# KiCad board SparkFun_BMV080_panelized.kicad_pcb (continued)
## Routing (per net, layer and track width the routed paths; a pad name or vN(x,y) marks a point on that pad's centre or on a via; arc(x,y) is an arc through that point) (continued)
v1(97.25,84.53) v1(97.25,83.01) v1(97.25,81.74) v1(97.25,80.47) v1(97.25,78.95) v1(97.25,71.33) v1(97.25,69.81) v1(97.25,68.54) v1(97.25,67.27) v1(97.25,65.75) v1(97.25,58.13) v1(97.25,56.61) v1(97.25,55.34) v1(97.25,54.07) v1(97.25,52.55) v1(97.25,44.93) v1(97.25,43.41) v1(97.25,42.14) v1(97.25,40.87) v1(97.25,39.35) v1(97.25,31.73) v1(97.25,30.21) v1(97.25,28.94) v1(97.25,27.67) v1(97.25,26.15) v1(97.25,18.53) v1(97.25,17.01) v1(97.25,15.74) v1(97.25,14.47) v1(97.25,12.95) v1(98.52,124.13) v1(98.52,122.61) v1(98.52,121.34) v1(98.52,120.07) v1(98.52,118.55) v1(98.52,110.93) v1(98.52,109.41) v1(98.52,108.14) v1(98.52,106.87) v1(98.52,105.35) v1(98.52,97.73) v1(98.52,96.21) v1(98.52,94.94) v1(98.52,93.67) v1(98.52,92.15) v1(98.52,84.53) v1(98.52,83.01) v1(98.52,81.74) v1(98.52,80.47) v1(98.52,78.95) v1(98.52,71.33) v1(98.52,69.81) v1(98.52,68.54) v1(98.52,67.27) v1(98.52,65.75) v1(98.52,58.13) v1(98.52,56.61) v1(98.52,55.34) v1(98.52,54.07) v1(98.52,52.55) v1(98.52,44.93) v1(98.52,43.41) v1(98.52,42.14) v1(98.52,40.87) v1(98.52,39.35) v1(98.52,31.73) v1(98.52,30.21) v1(98.52,28.94) v1(98.52,27.67) v1(98.52,26.15) v1(98.52,18.53) v1(98.52,17.01) v1(98.52,15.74) v1(98.52,14.47) v1(98.52,12.95) v1(99.79,124.13) v1(99.79,122.61) v1(99.79,121.34) v1(99.79,120.07) v1(99.79,118.55) v1(99.79,110.93) v1(99.79,109.41) v1(99.79,108.14) v1(99.79,106.87) v1(99.79,105.35) v1(99.79,97.73) v1(99.79,96.21) v1(99.79,94.94) v1(99.79,93.67) v1(99.79,92.15) v1(99.79,84.53) v1(99.79,83.01) v1(99.79,81.74) v1(99.79,80.47) v1(99.79,78.95) v1(99.79,71.33) v1(99.79,69.81) v1(99.79,68.54) v1(99.79,67.27) v1(99.79,65.75) v1(99.79,58.13) v1(99.79,56.61) v1(99.79,55.34) v1(99.79,54.07) v1(99.79,52.55) v1(99.79,44.93) v1(99.79,43.41) v1(99.79,42.14) v1(99.79,40.87) v1(99.79,39.35) v1(99.79,31.73) v1(99.79,30.21) v1(99.79,28.94) v1(99.79,27.67) v1(99.79,26.15) v1(99.79,18.53) v1(99.79,17.01) v1(99.79,15.74) v1(99.79,14.47) v1(99.79,12.95) v1(101.06,124.13) v1(101.06,122.61) v1(101.06,121.34) v1(101.06,120.07) v1(101.06,118.55) v1(101.06,110.93) v1(101.06,109.41) v1(101.06,108.14) v1(101.06,106.87) v1(101.06,105.35) v1(101.06,97.73) v1(101.06,96.21) v1(101.06,94.94) v1(101.06,93.67) v1(101.06,92.15) v1(101.06,84.53) v1(101.06,83.01) v1(101.06,81.74) v1(101.06,80.47) v1(101.06,78.95) v1(101.06,71.33) v1(101.06,69.81) v1(101.06,68.54) v1(101.06,67.27) v1(101.06,65.75) v1(101.06,58.13) v1(101.06,56.61) v1(101.06,55.34) v1(101.06,54.07) v1(101.06,52.55) v1(101.06,44.93) v1(101.06,43.41) v1(101.06,42.14) v1(101.06,40.87) v1(101.06,39.35) v1(101.06,31.73) v1(101.06,30.21) v1(101.06,28.94) v1(101.06,27.67) v1(101.06,26.15) v1(101.06,18.53) v1(101.06,17.01) v1(101.06,15.74) v1(101.06,14.47) v1(101.06,12.95) v1(101.63,116.65) v1(101.63,103.45) v1(101.63,90.25) v1(101.63,77.05) v1(101.63,63.85) v1(101.63,50.65) v1(101.63,37.45) v1(101.63,24.25) v1(101.63,11.05) v1(102.33,124.13) v1(102.33,122.61) v1(102.33,121.34) v1(102.33,120.07) v1(102.33,118.55) v1(102.33,110.93) v1(102.33,109.41) v1(102.33,108.14) v1(102.33,106.87) v1(102.33,105.35) v1(102.33,97.73) v1(102.33,96.21) v1(102.33,94.94) v1(102.33,93.67) v1(102.33,92.15) v1(102.33,84.53) v1(102.33,83.01) v1(102.33,81.74) v1(102.33,80.47) v1(102.33,78.95) v1(102.33,71.33) v1(102.33,69.81) v1(102.33,68.54) v1(102.33,67.27) v1(102.33,65.75) v1(102.33,58.13) v1(102.33,56.61) v1(102.33,55.34) v1(102.33,54.07) v1(102.33,52.55) v1(102.33,44.93) v1(102.33,43.41) v1(102.33,42.14) v1(102.33,40.87) v1(102.33,39.35) v1(102.33,31.73) v1(102.33,30.21) v1(102.33,28.94) v1(102.33,27.67) v1(102.33,26.15) v1(102.33,18.53) v1(102.33,17.01) v1(102.33,15.74) v1(102.33,14.47) v1(102.33,12.95) v1(103.2,113.77) v1(103.2,100.57) v1(103.2,87.37) v1(103.2,74.17) v1(103.2,60.97) v1(103.2,47.77) v1(103.2,34.57) v1(103.2,21.37) v1(103.2,8.17) v1(106.85,124.49) v1(106.85,111.29) v1(106.85,98.09) v1(106.85,84.89) v1(106.85,71.69) v1(106.85,58.49) v1(106.85,45.29) v1(106.85,32.09) v1(106.85,18.89) v1(107.13,113.33) v1(107.13,100.13) v1(107.13,86.93) v1(107.13,73.73) v1(107.13,60.53) v1(107.13,47.33) v1(107.13,34.13) v1(107.13,20.93) v1(107.13,7.73) v1(109.15,117.88) v1(109.15,104.68) v1(109.15,91.48) v1(109.15,78.28) v1(109.15,65.08) v1(109.15,51.88) v1(109.15,38.68) v1(109.15,25.48) v1(109.15,12.28) v1(110.71,124.49) v1(110.71,111.29) v1(110.71,98.09) v1(110.71,84.89) v1(110.71,71.69) v1(110.71,58.49) v1(110.71,45.29) v1(110.71,32.09) v1(110.71,18.89) v1(111.33,121.94) v1(111.33,108.74) v1(111.33,95.54) v1(111.33,82.34) v1(111.33,69.14) v1(111.33,55.94) v1(111.33,42.74) v1(111.33,29.54) v1(111.33,16.34) v1(111.85,117.73) v1(111.85,104.53) v1(111.85,91.33) v1(111.85,78.13) v1(111.85,64.93) v1(111.85,51.73) v1(111.85,38.53) v1(111.85,25.33) v1(111.85,12.13) v1(112.9,121.3) v1(112.9,108.1) v1(112.9,94.9) v1(112.9,81.7) v1(112.9,68.5) v1(112.9,55.3) v1(112.9,42.1) v1(112.9,28.9) v1(112.9,15.7) v1(116.21,121.65) v1(116.2,115.23) v1(116.21,108.45) v1(116.2,102.03) v1(116.21,95.25) v1(116.2,88.83) v1(116.21,82.05) v1(116.2,75.63) v1(116.21,68.85) v1(116.2,62.43) v1(116.21,55.65) v1(116.2,49.23) v1(116.21,42.45) v1(116.2,36.03) v1(116.21,29.25) v1(116.2,22.83) v1(116.21,16.05) v1(116.2,9.63) v1(120.61,124.13) v1(120.61,122.61) v1(120.61,121.34) v1(120.61,120.07) v1(120.61,118.55) v1(120.61,110.93) v1(120.61,109.41) v1(120.61,108.14) v1(120.61,106.87) v1(120.61,105.35) v1(120.61,97.73) v1(120.61,96.21) v1(120.61,94.94) v1(120.61,93.67) v1(120.61,92.15) v1(120.61,84.53) v1(120.61,83.01) v1(120.61,81.74) v1(120.61,80.47) v1(120.61,78.95) v1(120.61,71.33) v1(120.61,69.81) v1(120.61,68.54) v1(120.61,67.27) v1(120.61,65.75) v1(120.61,58.13) v1(120.61,56.61) v1(120.61,55.34) v1(120.61,54.07) v1(120.61,52.55) v1(120.61,44.93) v1(120.61,43.41) v1(120.61,42.14) v1(120.61,40.87) v1(120.61,39.35) v1(120.61,31.73) v1(120.61,30.21) v1(120.61,28.94) v1(120.61,27.67) v1(120.61,26.15) v1(120.61,18.53) v1(120.61,17.01) v1(120.61,15.74) v1(120.61,14.47) v1(120.61,12.95) v1(121.88,124.13) v1(121.88,122.61) v1(121.88,121.34) v1(121.88,120.07) v1(121.88,118.55) v1(121.88,110.93) v1(121.88,109.41) v1(121.88,108.14) v1(121.88,106.87) v1(121.88,105.35) v1(121.88,97.73) v1(121.88,96.21) v1(121.88,94.94) v1(121.88,93.67) v1(121.88,92.15) v1(121.88,84.53) v1(121.88,83.01) v1(121.88,81.74) v1(121.88,80.47) v1(121.88,78.95) v1(121.88,71.33) v1(121.88,69.81) v1(121.88,68.54) v1(121.88,67.27) v1(121.88,65.75) v1(121.88,58.13) v1(121.88,56.61) v1(121.88,55.34) v1(121.88,54.07) v1(121.88,52.55) v1(121.88,44.93) v1(121.88,43.41) v1(121.88,42.14) v1(121.88,40.87) v1(121.88,39.35) v1(121.88,31.73) v1(121.88,30.21) v1(121.88,28.94) v1(121.88,27.67) v1(121.88,26.15) v1(121.88,18.53) v1(121.88,17.01) v1(121.88,15.74) v1(121.88,14.47) v1(121.88,12.95) v1(123.15,124.13) v1(123.15,122.61) v1(123.15,121.34) v1(123.15,120.07) v1(123.15,118.55) v1(123.15,110.93) v1(123.15,109.41) v1(123.15,108.14) v1(123.15,106.87) v1(123.15,105.35) v1(123.15,97.73) v1(123.15,96.21) v1(123.15,94.94) v1(123.15,93.67) v1(123.15,92.15) v1(123.15,84.53) v1(123.15,83.01) v1(123.15,81.74) v1(123.15,80.47) v1(123.15,78.95) v1(123.15,71.33) v1(123.15,69.81) v1(123.15,68.54) v1(123.15,67.27) v1(123.15,65.75) v1(123.15,58.13) v1(123.15,56.61) v1(123.15,55.34) v1(123.15,54.07) v1(123.15,52.55) v1(123.15,44.93) v1(123.15,43.41) v1(123.15,42.14) v1(123.15,40.87) v1(123.15,39.35) v1(123.15,31.73) v1(123.15,30.21) v1(123.15,28.94) v1(123.15,27.67) v1(123.15,26.15) v1(123.15,18.53) v1(123.15,17.01) v1(123.15,15.74) v1(123.15,14.47) v1(123.15,12.95) v1(124.42,124.13) v1(124.42,122.61) v1(124.42,121.34) v1(124.42,120.07) v1(124.42,118.55) v1(124.42,110.93) v1(124.42,109.41) v1(124.42,108.14) v1(124.42,106.87) v1(124.42,105.35) v1(124.42,97.73) v1(124.42,96.21) v1(124.42,94.94) v1(124.42,93.67) v1(124.42,92.15) v1(124.42,84.53) v1(124.42,83.01) v1(124.42,81.74) v1(124.42,80.47) v1(124.42,78.95) v1(124.42,71.33) v1(124.42,69.81) v1(124.42,68.54) v1(124.42,67.27) v1(124.42,65.75) v1(124.42,58.13) v1(124.42,56.61) v1(124.42,55.34) v1(124.42,54.07) v1(124.42,52.55) v1(124.42,44.93) v1(124.42,43.41) v1(124.42,42.14) v1(124.42,40.87) v1(124.42,39.35) v1(124.42,31.73) v1(124.42,30.21) v1(124.42,28.94) v1(124.42,27.67) v1(124.42,26.15) v1(124.42,18.53) v1(124.42,17.01) v1(124.42,15.74) v1(124.42,14.47) v1(124.42,12.95) v1(125.69,124.13) v1(125.69,122.61) v1(125.69,121.34) v1(125.69,120.07) v1(125.69,118.55) v1(125.69,110.93) v1(125.69,109.41) v1(125.69,108.14) v1(125.69,106.87) v1(125.69,105.35) v1(125.69,97.73) v1(125.69,96.21) v1(125.69,94.94) v1(125.69,93.67) v1(125.69,92.15) v1(125.69,84.53) v1(125.69,83.01) v1(125.69,81.74) v1(125.69,80.47) v1(125.69,78.95) v1(125.69,71.33) v1(125.69,69.81) v1(125.69,68.54) v1(125.69,67.27) v1(125.69,65.75) v1(125.69,58.13) v1(125.69,56.61) v1(125.69,55.34) v1(125.69,54.07) v1(125.69,52.55) v1(125.69,44.93) v1(125.69,43.41) v1(125.69,42.14) v1(125.69,40.87) v1(125.69,39.35) v1(125.69,31.73) v1(125.69,30.21) v1(125.69,28.94) v1(125.69,27.67) v1(125.69,26.15) v1(125.69,18.53) v1(125.69,17.01) v1(125.69,15.74) v1(125.69,14.47) v1(125.69,12.95) v1(126.26,116.65) v1(126.26,103.45) v1(126.26,90.25) v1(126.26,77.05) v1(126.26,63.85) v1(126.26,50.65) v1(126.26,37.45) v1(126.26,24.25) v1(126.26,11.05) v1(126.96,124.13) v1(126.96,122.61) v1(126.96,121.34) v1(126.96,120.07) v1(126.96,118.55) v1(126.96,110.93) v1(126.96,109.41) v1(126.96,108.14) v1(126.96,106.87) v1(126.96,105.35) v1(126.96,97.73) v1(126.96,96.21) v1(126.96,94.94) v1(126.96,93.67) v1(126.96,92.15) v1(126.96,84.53) v1(126.96,83.01) v1(126.96,81.74) v1(126.96,80.47) v1(126.96,78.95) v1(126.96,71.33) v1(126.96,69.81) v1(126.96,68.54) v1(126.96,67.27) v1(126.96,65.75) v1(126.96,58.13) v1(126.96,56.61) v1(126.96,55.34) v1(126.96,54.07) v1(126.96,52.55) v1(126.96,44.93) v1(126.96,43.41) v1(126.96,42.14) v1(126.96,40.87) v1(126.96,39.35) v1(126.96,31.73) v1(126.96,30.21) v1(126.96,28.94) v1(126.96,27.67) v1(126.96,26.15) v1(126.96,18.53) v1(126.96,17.01) v1(126.96,15.74) v1(126.96,14.47) v1(126.96,12.95) v1(127.83,113.77) v1(127.83,100.57) v1(127.83,87.37) v1(127.83,74.17) v1(127.83,60.97) v1(127.83,47.77) v1(127.83,34.57) v1(127.83,21.37) v1(127.83,8.17) v1(131.48,124.49) v1(131.48,111.29) v1(131.48,98.09) v1(131.48,84.89) v1(131.48,71.69) v1(131.48,58.49) v1(131.48,45.29) v1(131.48,32.09) v1(131.48,18.89) v1(131.76,113.33) v1(131.76,100.13) v1(131.76,86.93) v1(131.76,73.73) v1(131.76,60.53) v1(131.76,47.33) v1(131.76,34.13) v1(131.76,20.93) v1(131.76,7.73) v1(133.78,117.88) v1(133.78,104.68) v1(133.78,91.48) v1(133.78,78.28) v1(133.78,65.08) v1(133.78,51.88) v1(133.78,38.68) v1(133.78,25.48) v1(133.78,12.28) v1(135.34,124.49) v1(135.34,111.29) v1(135.34,98.09) v1(135.34,84.89) v1(135.34,71.69) v1(135.34,58.49) v1(135.34,45.29) v1(135.34,32.09) v1(135.34,18.89) v1(135.96,121.94) v1(135.96,108.74) v1(135.96,95.54) v1(135.96,82.34) v1(135.96,69.14) v1(135.96,55.94) v1(135.96,42.74) v1(135.96,29.54) v1(135.96,16.34) v1(136.48,117.73) v1(136.48,104.53) v1(136.48,91.33) v1(136.48,78.13) v1(136.48,64.93) v1(136.48,51.73) v1(136.48,38.53) v1(136.48,25.33) v1(136.48,12.13) v1(137.53,121.3) v1(137.53,108.1) v1(137.53,94.9) v1(137.53,81.7) v1(137.53,68.5) v1(137.53,55.3) v1(137.53,42.1) v1(137.53,28.9) v1(137.53,15.7) v1(140.84,121.65) v1(140.83,115.23) v1(140.84,108.45) v1(140.83,102.03) v1(140.84,95.25) v1(140.83,88.83) v1(140.84,82.05) v1(140.83,75.63) v1(140.84,68.85) v1(140.83,62.43) v1(140.84,55.65) v1(140.83,49.23) v1(140.84,42.45) v1(140.83,36.03) v1(140.84,29.25) v1(140.83,22.83) v1(140.84,16.05) v1(140.83,9.63) v1(145.24,124.13) v1(145.24,122.61) v1(145.24,121.34) v1(145.24,120.07) v1(145.24,118.55) v1(145.24,110.93) v1(145.24,109.41) v1(145.24,108.14) v1(145.24,106.87) v1(145.24,105.35) v1(145.24,97.73) v1(145.24,96.21) v1(145.24,94.94) v1(145.24,93.67) v1(145.24,92.15) v1(145.24,84.53) v1(145.24,83.01) v1(145.24,81.74) v1(145.24,80.47) v1(145.24,78.95) v1(145.24,71.33) v1(145.24,69.81) v1(145.24,68.54) v1(145.24,67.27) v1(145.24,65.75) v1(145.24,58.13) v1(145.24,56.61) v1(145.24,55.34) v1(145.24,54.07) v1(145.24,52.55) v1(145.24,44.93) v1(145.24,43.41) v1(145.24,42.14) v1(145.24,40.87) v1(145.24,39.35) v1(145.24,31.73) v1(145.24,30.21) v1(145.24,28.94) v1(145.24,27.67) v1(145.24,26.15) v1(145.24,18.53) v1(145.24,17.01) v1(145.24,15.74) v1(145.24,14.47) v1(145.24,12.95) v1(146.51,124.13) v1(146.51,122.61) v1(146.51,121.34) v1(146.51,120.07) v1(146.51,118.55) v1(146.51,110.93) v1(146.51,109.41) v1(146.51,108.14) v1(146.51,106.87) v1(146.51,105.35) v1(146.51,97.73) v1(146.51,96.21) v1(146.51,94.94) v1(146.51,93.67) v1(146.51,92.15) v1(146.51,84.53) v1(146.51,83.01) v1(146.51,81.74) v1(146.51,80.47) v1(146.51,78.95) v1(146.51,71.33) v1(146.51,69.81) v1(146.51,68.54) v1(146.51,67.27) v1(146.51,65.75) v1(146.51,58.13) v1(146.51,56.61) v1(146.51,55.34) v1(146.51,54.07) v1(146.51,52.55) v1(146.51,44.93) v1(146.51,43.41) v1(146.51,42.14) v1(146.51,40.87) v1(146.51,39.35) v1(146.51,31.73) v1(146.51,30.21) v1(146.51,28.94) v1(146.51,27.67) v1(146.51,26.15) v1(146.51,18.53) v1(146.51,17.01) v1(146.51,15.74) v1(146.51,14.47) v1(146.51,12.95) v1(147.78,124.13) v1(147.78,122.61) v1(147.78,121.34) v1(147.78,120.07) v1(147.78,118.55) v1(147.78,110.93) v1(147.78,109.41) v1(147.78,108.14) v1(147.78,106.87) v1(147.78,105.35) v1(147.78,97.73) v1(147.78,96.21) v1(147.78,94.94) v1(147.78,93.67) v1(147.78,92.15) v1(147.78,84.53) v1(147.78,83.01) v1(147.78,81.74) v1(147.78,80.47) v1(147.78,78.95) v1(147.78,71.33) v1(147.78,69.81) v1(147.78,68.54) v1(147.78,67.27) v1(147.78,65.75) v1(147.78,58.13) v1(147.78,56.61) v1(147.78,55.34) v1(147.78,54.07) v1(147.78,52.55) v1(147.78,44.93) v1(147.78,43.41) v1(147.78,42.14) v1(147.78,40.87) v1(147.78,39.35) v1(147.78,31.73) v1(147.78,30.21) v1(147.78,28.94) v1(147.78,27.67) v1(147.78,26.15) v1(147.78,18.53) v1(147.78,17.01) v1(147.78,15.74) v1(147.78,14.47) v1(147.78,12.95) v1(149.05,124.13) v1(149.05,122.61) v1(149.05,121.34) v1(149.05,120.07) v1(149.05,118.55) v1(149.05,110.93) v1(149.05,109.41) v1(149.05,108.14) v1(149.05,106.87) v1(149.05,105.35) v1(149.05,97.73) v1(149.05,96.21) v1(149.05,94.94) v1(149.05,93.67) v1(149.05,92.15) v1(149.05,84.53) v1(149.05,83.01) v1(149.05,81.74) v1(149.05,80.47) v1(149.05,78.95) v1(149.05,71.33) v1(149.05,69.81) v1(149.05,68.54) v1(149.05,67.27) v1(149.05,65.75) v1(149.05,58.13) v1(149.05,56.61) v1(149.05,55.34) v1(149.05,54.07) v1(149.05,52.55) v1(149.05,44.93) v1(149.05,43.41) v1(149.05,42.14) v1(149.05,40.87) v1(149.05,39.35) v1(149.05,31.73) v1(149.05,30.21) v1(149.05,28.94) v1(149.05,27.67) v1(149.05,26.15) v1(149.05,18.53) v1(149.05,17.01) v1(149.05,15.74) v1(149.05,14.47) v1(149.05,12.95) v1(150.32,124.13) v1(150.32,122.61) v1(150.32,121.34) v1(150.32,120.07) v1(150.32,118.55) v1(150.32,110.93) v1(150.32,109.41) v1(150.32,108.14) v1(150.32,106.87) v1(150.32,105.35) v1(150.32,97.73) v1(150.32,96.21) v1(150.32,94.94) v1(150.32,93.67) v1(150.32,92.15) v1(150.32,84.53) v1(150.32,83.01) v1(150.32,81.74) v1(150.32,80.47) v1(150.32,78.95) v1(150.32,71.33) v1(150.32,69.81) v1(150.32,68.54) v1(150.32,67.27) v1(150.32,65.75) v1(150.32,58.13) v1(150.32,56.61) v1(150.32,55.34) v1(150.32,54.07) v1(150.32,52.55) v1(150.32,44.93) v1(150.32,43.41) v1(150.32,42.14) v1(150.32,40.87) v1(150.32,39.35) v1(150.32,31.73) v1(150.32,30.21) v1(150.32,28.94) v1(150.32,27.67) v1(150.32,26.15) v1(150.32,18.53) v1(150.32,17.01) v1(150.32,15.74) v1(150.32,14.47) v1(150.32,12.95) v1(150.89,116.65) v1(150.89,103.45) v1(150.89,90.25) v1(150.89,77.05) v1(150.89,63.85) v1(150.89,50.65) v1(150.89,37.45) v1(150.89,24.25) v1(150.89,11.05) v1(151.59,124.13) v1(151.59,122.61) v1(151.59,121.34) v1(151.59,120.07) v1(151.59,118.55) v1(151.59,110.93) v1(151.59,109.41) v1(151.59,108.14) v1(151.59,106.87) v1(151.59,105.35) v1(151.59,97.73) v1(151.59,96.21) v1(151.59,94.94) v1(151.59,93.67) v1(151.59,92.15) v1(151.59,84.53) v1(151.59,83.01) v1(151.59,81.74) v1(151.59,80.47) v1(151.59,78.95) v1(151.59,71.33) v1(151.59,69.81) v1(151.59,68.54) v1(151.59,67.27) v1(151.59,65.75) v1(151.59,58.13) v1(151.59,56.61) v1(151.59,55.34) v1(151.59,54.07) v1(151.59,52.55) v1(151.59,44.93) v1(151.59,43.41) v1(151.59,42.14) v1(151.59,40.87) v1(151.59,39.35) v1(151.59,31.73) v1(151.59,30.21) v1(151.59,28.94) v1(151.59,27.67) v1(151.59,26.15) v1(151.59,18.53) v1(151.59,17.01) v1(151.59,15.74) v1(151.59,14.47) v1(151.59,12.95) v1(152.46,113.77) v1(152.46,100.57) v1(152.46,87.37) v1(152.46,74.17) v1(152.46,60.97) v1(152.46,47.77) v1(152.46,34.57) v1(152.46,21.37) v1(152.46,8.17)
AB0: length 641.1
  Top w0.2: 110.25,14.54 111.36,14.54 112.28,13.62 ; U1#11.11 86.73,120.14 87.65,119.22 ; 38.39,119.22 37.47,120.14 U1#51.11 ; 63.02,13.62 62.1,14.54 U1#52.11 ; 13.76,53.22 12.84,54.14 U1#30.11 ; 112.28,26.82 111.36,27.74 110.25,27.74 ; U1#42.11 62.1,106.94 63.02,106.02 ; 87.65,13.62 86.73,14.54 U1#9.11 ; U1#17.11 86.73,93.74 87.65,92.82 ; 110.25,67.34 111.36,67.34 112.28,66.42 ; U1#46.11 37.47,40.94 38.39,40.02 ; 63.02,40.02 62.1,40.94 U1#39.11 ; U1#38.11 62.1,27.74 63.02,26.82 ; 87.65,106.02 86.73,106.94 U1#10.11 ; 63.02,66.42 62.1,67.34 U1#43.11 ; 38.39,66.42 37.47,67.34 U1#48.11 ; U1#24.11 135.99,54.14 136.91,53.22 ; 13.76,106.02 12.84,106.94 U1#37.11 ; 13.76,26.82 12.84,27.74 U1#34.11 ; U1#7.11 86.73,67.34 87.65,66.42 ; 13.76,79.62 12.84,80.54 U1#32.11 ; 38.39,106.02 37.47,106.94 U1#53.11 ; U1#25.11 135.99,14.54 136.91,13.62 ; 13.76,92.82 12.84,93.74 U1#33.11 ; U1#47.11 12.84,120.14 13.76,119.22 ; U1#26.11 135.99,27.74 136.91,26.82 ; 63.02,119.22 62.1,120.14 U1#8.11 ; U1#29.11 12.84,40.94 13.76,40.02 ; 87.65,40.02 86.73,40.94 U1#16.11 ; 112.28,106.02 111.36,106.94 110.25,106.94 ; 38.39,13.62 37.47,14.54 U1#35.11 ; 13.76,13.62 12.84,14.54 U1#54.11 ; 63.02,79.62 62.1,80.54 U1#41.11 ; U1#20.11 135.99,120.14 136.91,119.22 ; 136.91,66.42 135.99,67.34 U1#22.11 ; 136.91,79.62 135.99,80.54 U1#28.11 ; 110.25,40.94 111.36,40.94 112.28,40.02 ; 112.28,119.22 111.36,120.14 110.25,120.14 ; 38.39,53.22 37.47,54.14 U1#44.11 ; U1#6.11 86.73,80.54 87.65,79.62 ; 38.39,79.62 37.47,80.54 U1#49.11 ; U1#5.11 86.73,54.14 87.65,53.22 ; 112.28,92.82 111.36,93.74 110.25,93.74 ; U1#50.11 37.47,93.74 38.39,92.82 ; U1#27.11 135.99,93.74 136.91,92.82 ; 136.91,106.02 135.99,106.94 U1#21.11 ; U1#45.11 62.1,93.74 63.02,92.82 ; 112.28,79.62 111.36,80.54 110.25,80.54 ; 136.91,40.02 135.99,40.94 U1#23.11 ; 63.02,53.22 62.1,54.14 U1#40.11 ; 38.39,26.82 37.47,27.74 U1#36.11 ; U1#31.11 12.84,67.34 13.76,66.42 ; 112.28,53.22 111.36,54.14 110.25,54.14 ; 87.65,26.82 86.73,27.74 U1#4.11
  Top w0.203: 38.39,66.42 39.2,65.61 40.14,65.61 v1(40.2,65.67) 41.23,64.64 41.23,63.67 40.05,62.49 39.4,62.49 38.47,61.55 ; J2#31.2 64.03,115.29 64.68,115.29 65.86,116.47 65.86,117.44 v1(64.83,118.47) 64.77,118.41 63.83,118.41 63.02,119.22 ; 136.91,40.02 137.72,39.21 138.66,39.21 v1(138.72,39.27) 139.75,38.24 139.75,37.27 138.57,36.09 137.92,36.09 J2#41.2 ; J2#36.2 88.66,115.29 89.31,115.29 90.49,116.47 90.49,117.44 v1(89.46,118.47) 89.4,118.41 88.46,118.41 87.65,119.22 ; J2#50.2 113.29,62.49 113.94,62.49 115.12,63.67 115.12,64.64 v1(114.09,65.67) 114.03,65.61 113.09,65.61 112.28,66.42 ; J2.2 14.77,9.69 15.42,9.69 16.6,10.87 16.6,11.84 v1(15.57,12.87) 15.51,12.81 14.57,12.81 13.76,13.62 ; 13.76,92.82 14.57,92.01 15.51,92.01 v1(15.57,92.07) 16.6,91.04 16.6,90.07 15.42,88.89 14.77,88.89 J2#9.2 ; 112.28,106.02 113.09,105.21 114.03,105.21 v1(114.09,105.27) 115.12,104.24 115.12,103.27 113.94,102.09 113.29,102.09 J2#52.2 ; J2#11.2 14.77,102.09 15.42,102.09 16.6,103.27 16.6,104.24 v1(15.57,105.27) 15.51,105.21 14.57,105.21 13.76,106.02 ; 63.02,106.02 63.83,105.21 64.77,105.21 v1(64.83,105.27) 65.86,104.24 65.86,103.27 64.68,102.09 64.03,102.09 J2#24.2 ; J2#4.2 14.77,62.49 15.42,62.49 16.6,63.67 16.6,64.64 v1(15.57,65.67) 15.51,65.61 14.57,65.61 13.76,66.42 ; 87.65,40.02 88.46,39.21 89.4,39.21 v1(89.46,39.27) 90.49,38.24 90.49,37.27 89.31,36.09 88.66,36.09 J2#32.2 ; 87.65,92.82 88.46,92.01 89.4,92.01 v1(89.46,92.07) 90.49,91.04 90.49,90.07 89.31,88.89 88.66,88.89 J2#34.2 ; 38.39,92.82 39.2,92.01 40.14,92.01 v1(40.2,92.07) 41.23,91.04 41.23,90.07 40.05,88.89 39.4,88.89 38.47,87.95 ; J2#28.2 88.66,49.29 89.31,49.29 90.49,50.47 90.49,51.44 v1(89.46,52.47) 89.4,52.41 88.46,52.41 87.65,53.22 ; 13.76,53.22 14.57,52.41 15.51,52.41 v1(15.57,52.47) 16.6,51.44 16.6,50.47 15.42,49.29 14.77,49.29 J2#10.2 ; 136.91,106.02 137.72,105.21 138.66,105.21 v1(138.72,105.27) 139.75,104.24 139.75,103.27 138.57,102.09 137.92,102.09 J2#51.2 ; 112.28,40.02 113.09,39.21 114.03,39.21 v1(114.09,39.27) 115.12,38.24 115.12,37.27 113.94,36.09 113.29,36.09 J2#40.2 ; 38.47,35.16 39.4,36.09 40.05,36.09 41.23,37.27 41.23,38.24 v1(40.2,39.27) 40.14,39.21 39.2,39.21 38.39,40.02 ; J2#7.2 14.77,36.09 15.42,36.09 16.6,37.27 16.6,38.24 v1(15.57,39.27) 15.51,39.21 14.57,39.21 13.76,40.02 ; J2#18.2 64.03,22.89 64.68,22.89 65.86,24.07 65.86,25.04 v1(64.83,26.07) 64.77,26.01 63.83,26.01 63.02,26.82 ; J2#21.2 64.03,9.69 64.68,9.69 65.86,10.87 65.86,11.84 v1(64.83,12.87) 64.77,12.81 63.83,12.81 63.02,13.62 ; 63.02,79.62 63.83,78.81 64.77,78.81 v1(64.83,78.87) 65.86,77.84 65.86,76.87 64.68,75.69 64.03,75.69 J2#22.2 ; J2#43.2 113.29,75.69 113.94,75.69 115.12,76.87 115.12,77.84 v1(114.09,78.87) 114.03,78.81 113.09,78.81 112.28,79.62 ; 13.76,26.82 14.57,26.01 15.51,26.01 v1(15.57,26.07) 16.6,25.04 16.6,24.07 15.42,22.89 14.77,22.89 J2#8.2 ; J2#42.2 113.29,22.89 113.94,22.89 115.12,24.07 115.12,25.04 v1(114.09,26.07) 114.03,26.01 113.09,26.01 112.28,26.82 ; 136.91,92.82 137.72,92.01 138.66,92.01 v1(138.72,92.07) 139.75,91.04 139.75,90.07 138.57,88.89 137.92,88.89 J2#49.2 ; 38.47,8.75 39.4,9.69 40.05,9.69 41.23,10.87 41.23,11.84 v1(40.2,12.87) 40.14,12.81 39.2,12.81 38.39,13.62 ; 87.65,79.62 88.46,78.81 89.4,78.81 v1(89.46,78.87) 90.49,77.84 90.49,76.87 89.31,75.69 88.66,75.69 J2#29.2 ; 112.28,119.22 113.09,118.41 114.03,118.41 v1(114.09,118.47) 115.12,117.44 115.12,116.47 113.94,115.29 113.29,115.29 J2#45.2 ; 136.91,26.82 137.72,26.01 138.66,26.01 v1(138.72,26.07) 139.75,25.04 139.75,24.07 138.57,22.89 137.92,22.89 J2#46.2 ; 38.39,53.22 39.2,52.41 40.14,52.41 v1(40.2,52.47) 41.23,51.44 41.23,50.47 40.05,49.29 39.4,49.29 38.47,48.35 ; 38.39,106.02 39.2,105.21 40.14,105.21 v1(40.2,105.27) 41.23,104.24 41.23,103.27 40.05,102.09 39.4,102.09 38.47,101.16 ; J2#27.2 88.66,22.89 89.31,22.89 90.49,24.07 90.49,25.04 v1(89.46,26.07) 89.4,26.01 88.46,26.01 87.65,26.82 ; 38.47,21.95 39.4,22.89 40.05,22.89 41.23,24.07 41.23,25.04 v1(40.2,26.07) 40.14,26.01 39.2,26.01 38.39,26.82 ; J2#38.2 113.29,49.29 113.94,49.29 115.12,50.47 115.12,51.44 v1(114.09,52.47) 114.03,52.41 113.09,52.41 112.28,53.22 ; J2#39.2 137.92,9.69 138.57,9.69 139.75,10.87 139.75,11.84 v1(138.72,12.87) 138.66,12.81 137.72,12.81 136.91,13.62 ; 38.39,79.62 39.2,78.81 40.14,78.81 v1(40.2,78.87) 41.23,77.84 41.23,76.87 40.05,75.69 39.4,75.69 38.47,74.75 ; 136.91,53.22 137.72,52.41 138.66,52.41 v1(138.72,52.47) 139.75,51.44 139.75,50.47 138.57,49.29 137.92,49.29 J2#47.2 ; J2#26.2 64.03,88.89 64.68,88.89 65.86,90.07 65.86,91.04 v1(64.83,92.07) 64.77,92.01 63.83,92.01 63.02,92.82 ; 63.02,53.22 63.83,52.41 64.77,52.41 v1(64.83,52.47) 65.86,51.44 65.86,50.47 64.68,49.29 64.03,49.29 J2#16.2 ; 136.91,79.62 137.72,78.81 138.66,78.81 v1(138.72,78.87) 139.75,77.84 139.75,76.87 138.57,75.69 137.92,75.69 J2#48.2 ; 87.65,106.02 88.46,105.21 89.4,105.21 v1(89.46,105.27) 90.49,104.24 90.49,103.27 89.31,102.09 88.66,102.09 J2#35.2 ; 87.65,13.62 88.46,12.81 89.4,12.81 v1(89.46,12.87) 90.49,11.84 90.49,10.87 89.31,9.69 88.66,9.69 J2#25.2 ; 112.28,13.62 113.09,12.81 114.03,12.81 v1(114.09,12.87) 115.12,11.84 115.12,10.87 113.94,9.69 113.29,9.69 J2#54.2 ; 63.02,40.02 63.83,39.21 64.77,39.21 v1(64.83,39.27) 65.86,38.24 65.86,37.27 64.68,36.09 64.03,36.09 J2#33.2 ; 13.76,79.62 14.57,78.81 15.51,78.81 v1(15.57,78.87) 16.6,77.84 16.6,76.87 15.42,75.69 14.77,75.69 J2#6.2 ; 112.28,92.82 113.09,92.01 114.03,92.01 v1(114.09,92.07) 115.12,91.04 115.12,90.07 113.94,88.89 113.29,88.89 J2#44.2 ; J2#30.2 64.03,62.49 64.68,62.49 65.86,63.67 65.86,64.64 v1(64.83,65.67) 64.77,65.61 63.83,65.61 63.02,66.42 ; 38.39,119.22 39.2,118.41 40.14,118.41 v1(40.2,118.47) 41.23,117.44 41.23,116.47 40.05,115.29 39.4,115.29 38.47,114.36 ; 13.76,119.22 14.57,118.41 15.51,118.41 v1(15.57,118.47) 16.6,117.44 16.6,116.47 15.42,115.29 14.77,115.29 J2#12.2 ; 87.65,66.42 88.46,65.61 89.4,65.61 v1(89.46,65.67) 90.49,64.64 90.49,63.67 89.31,62.49 88.66,62.49 J2#17.2 ; J2#37.2 137.92,62.49 138.57,62.49 139.75,63.67 139.75,64.64 v1(138.72,65.67) 138.66,65.61 137.72,65.61 136.91,66.42 ; 136.91,119.22 137.72,118.41 138.66,118.41 v1(138.72,118.47) 139.75,117.44 139.75,116.47 138.57,115.29 137.92,115.29 J2#53.2
  Bottom w0.2: v1(114.09,26.07) 114.03,26.12 JP2#38.2 ; v1(89.46,92.07) 89.4,92.12 JP2#35.2 ; JP2#17.2 15.51,105.32 v1(15.57,105.27) ; v1(138.72,92.07) 138.66,92.12 JP2#54.2 ; JP2#2.2 15.51,26.12 v1(15.57,26.07) ; v1(64.83,12.87) 64.77,12.92 JP2#9.2 ; v1(89.46,105.27) 89.4,105.32 JP2#45.2 ; v1(114.09,12.87) 114.03,12.92 JP2#37.2 ; v1(114.09,105.27) 114.03,105.32 JP2#29.2 ; v1(138.72,52.47) 138.66,52.52 JP2#49.2 ; JP2#5.2 15.51,118.52 v1(15.57,118.47) ; JP2#41.2 114.03,65.72 v1(114.09,65.67) ; JP2#46.2 89.4,118.52 v1(89.46,118.47) ; v1(40.2,12.87) 40.14,12.92 JP2#18.2 ; v1(15.57,92.07) 15.51,92.12 JP2#4.2 ; JP2#21.2 40.14,105.32 v1(40.2,105.27) ; JP2#39.2 89.4,12.92 v1(89.46,12.87) ; JP2#42.2 114.03,78.92 v1(114.09,78.87) ; JP2#11.2 64.77,39.32 v1(64.83,39.27) ; v1(40.2,92.07) 40.14,92.12 JP2#8.2 ; v1(138.72,105.27) 138.66,105.32 JP2#51.2 ; JP2#13.2 64.77,118.52 v1(64.83,118.47) ; v1(138.72,26.07) 138.66,26.12 JP2#48.2 ; JP2#22.2 40.14,118.52 v1(40.2,118.47) ; v1(89.46,78.87) 89.4,78.92 JP2#28.2 ; v1(138.72,39.27) 138.66,39.32 JP2#31.2 ; JP2#15.2 15.51,39.32 v1(15.57,39.27) ; v1(138.72,118.47) 138.66,118.52 JP2#53.2 ; v1(64.83,105.27) 64.77,105.32 JP2#26.2 ; v1(64.83,65.67) 64.77,65.72 JP2#27.2 ; JP2#30.2 138.66,12.92 v1(138.72,12.87) ; JP2#36.2 114.03,39.32 v1(114.09,39.27) ; v1(40.2,26.07) 40.14,26.12 JP2#6.2 ; v1(40.2,39.27) 40.14,39.32 JP2#19.2 ; v1(40.2,52.47) 40.14,52.52 JP2#7.2 ; JP2#25.2 64.77,78.92 v1(64.83,78.87) ; JP2#14.2 15.51,65.72 v1(15.57,65.67) ; JP2#50.2 138.66,65.72 v1(138.72,65.67) ; v1(138.72,78.87) 138.66,78.92 JP2#52.2 ; JP2#20.2 40.14,65.72 v1(40.2,65.67) ; JP2#16.2 15.51,78.92 v1(15.57,78.87) ; JP2#3.2 15.51,52.52 v1(15.57,52.47) ; JP2#23.2 64.77,26.12 v1(64.83,26.07) ; v1(114.09,52.47) 114.03,52.52 JP2#40.2 ; v1(64.83,52.47) 64.77,52.52 JP2#10.2 ; v1(114.09,92.07) 114.03,92.12 JP2#44.2 ; v1(15.57,12.87) 15.51,12.92 JP2.2 ; JP2#12.2 40.14,78.92 v1(40.2,78.87) ; v1(89.46,65.67) 89.4,65.72 JP2#34.2 ; v1(64.83,92.07) 64.77,92.12 JP2#24.2 ; JP2#47.2 114.03,118.52 v1(114.09,118.47) ; JP2#32.2 89.4,26.12 v1(89.46,26.07) ; JP2#33.2 89.4,39.32 v1(89.46,39.27) ; JP2#43.2 89.4,52.52 v1(89.46,52.47)
